# Altium PCB RTM_SFP_no-teardrops.PcbDoc (part 6 of 7) (continued)
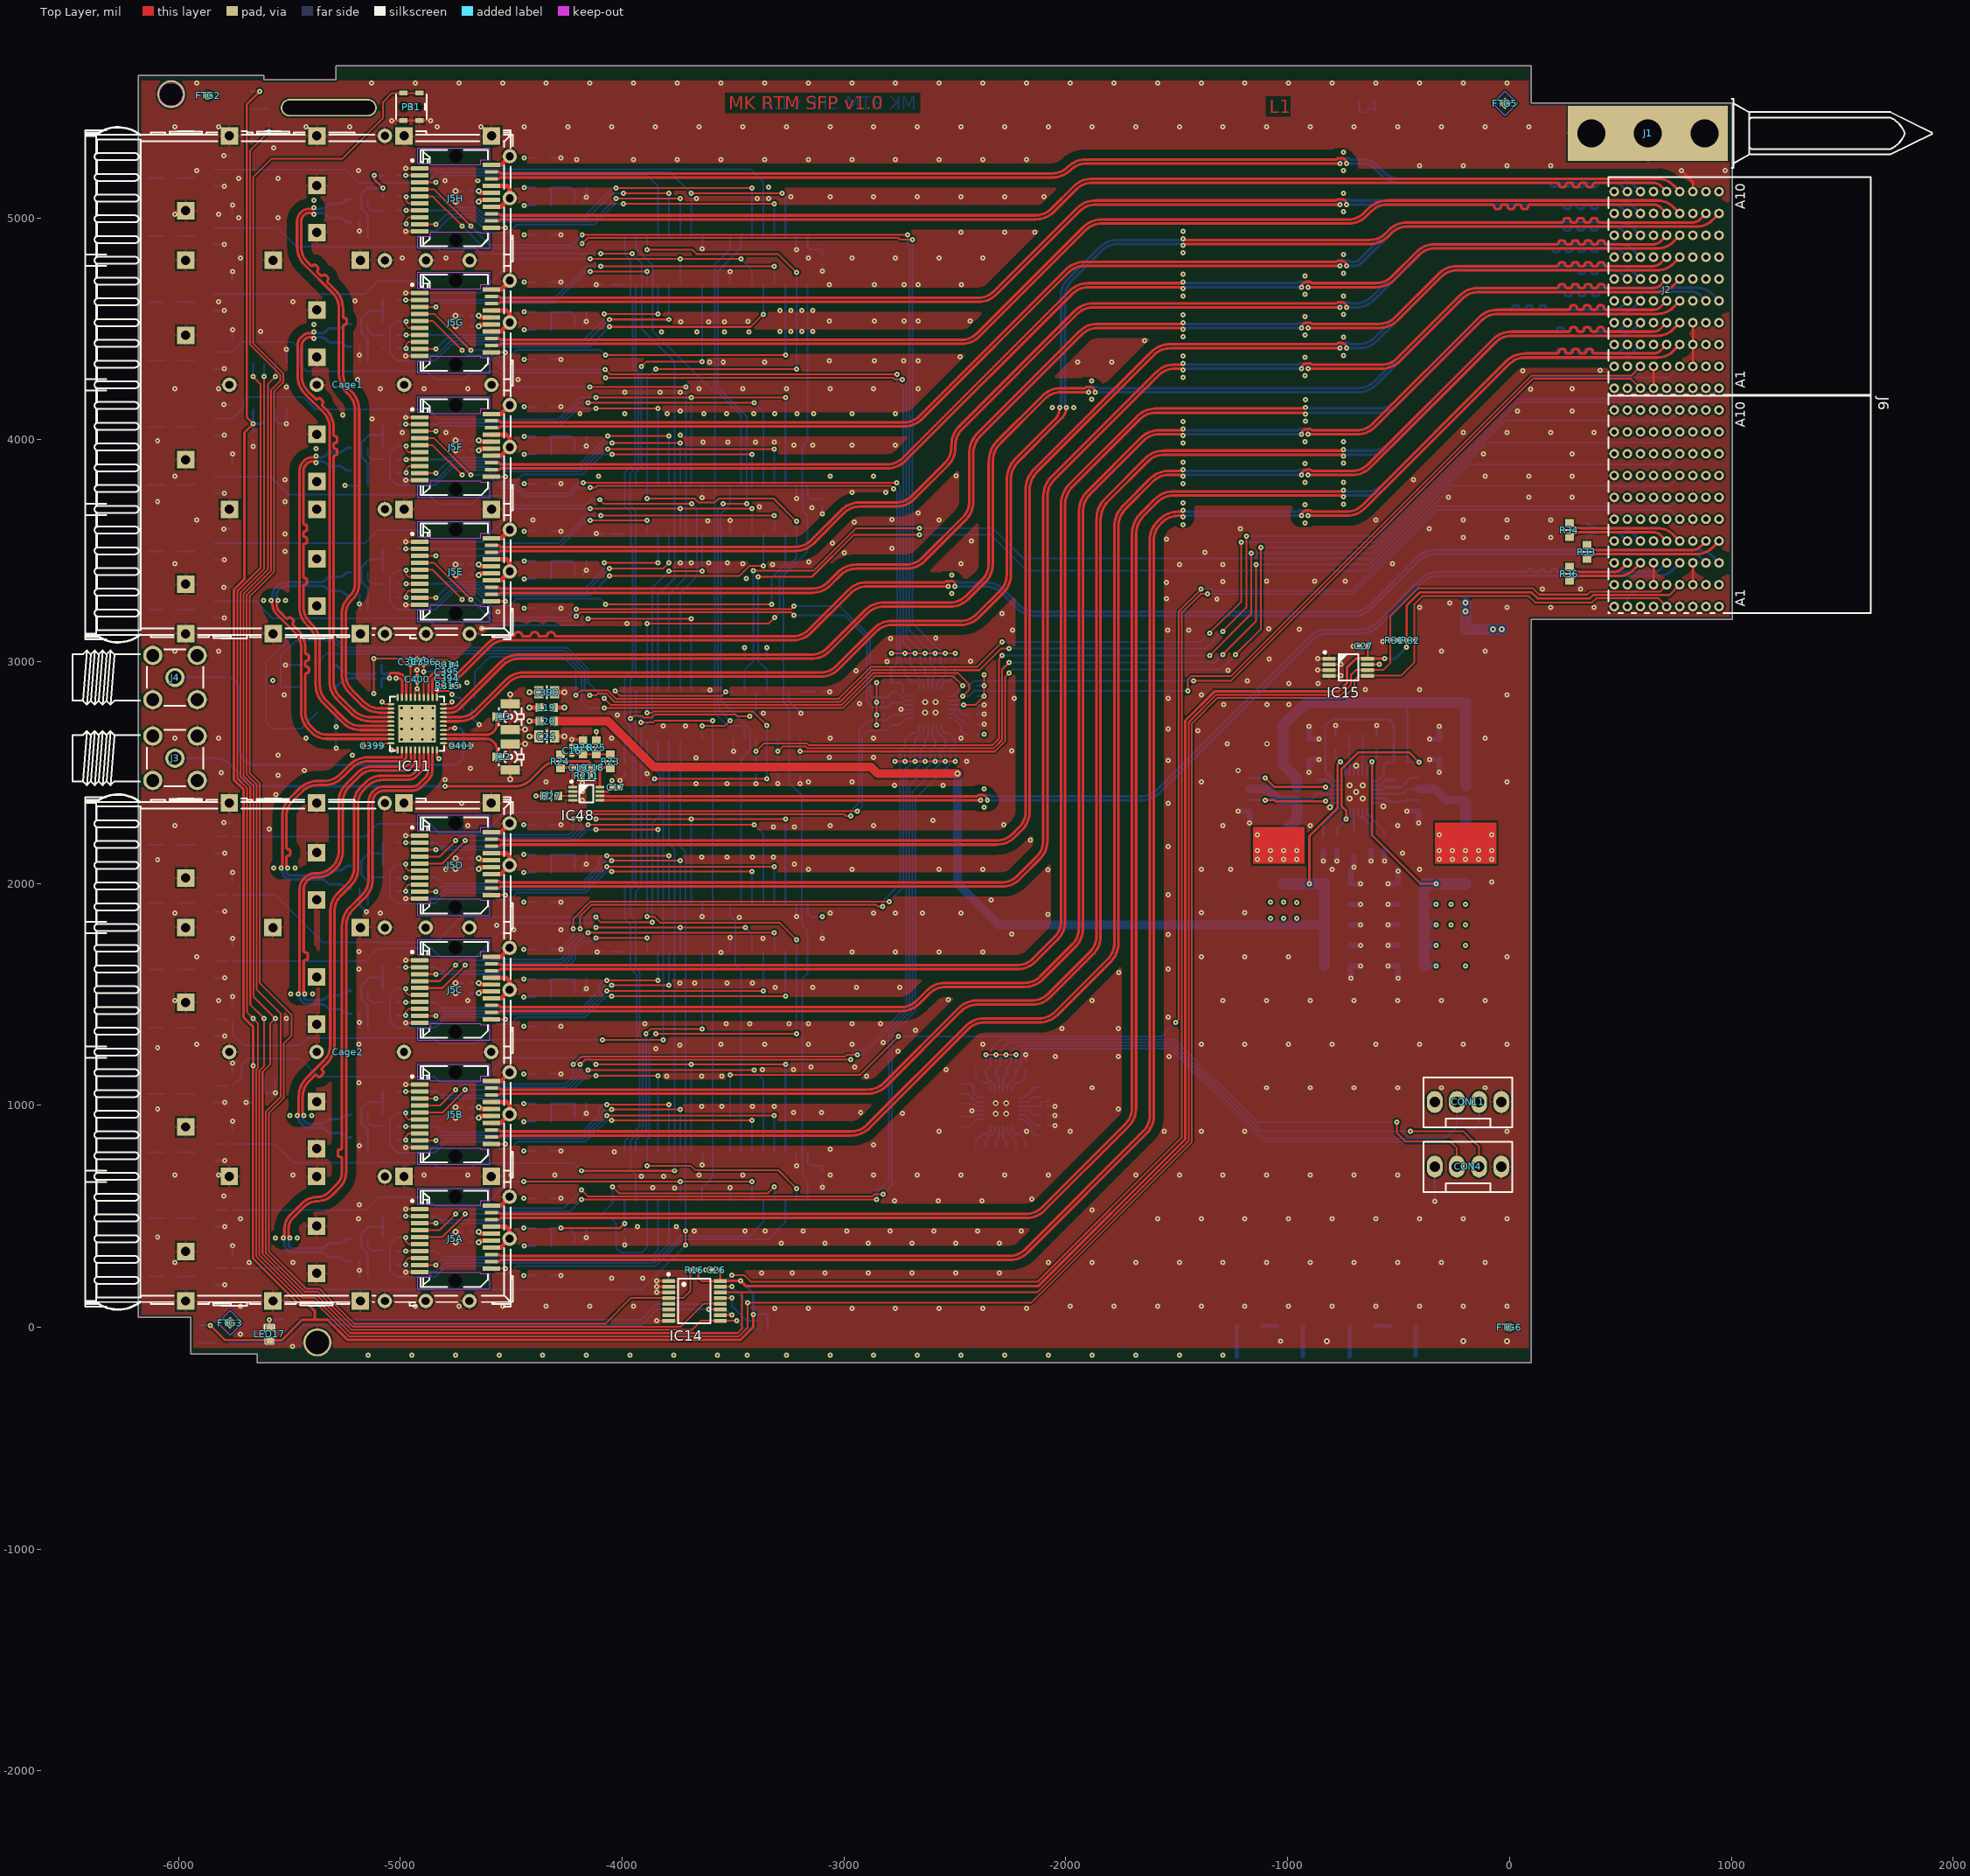
[diagram p0: Top Layer view]
## Nets (pads, with @x,y where several pads share a name; then routed paths per layer and width w, separated by ;. In a path a pad name is that pad's centre, name@x,y a point inside that pad or via, vN(x,y) a via of type N, cw(c..) or ccw(c..) an arc to the next point about the centre after c; other vN are vias at no path point) (continued)
SFP_LED2_1: IC10.4 R12H.2 T1H.1 | length 4025.7
  Top Layer w7.99: v1(-4097.64,4838.98) v1@-3954.72,4838.98
  Bottom Layer w7.99: T1H.1@-5836.61,4955.71 -5554.53,4955.71 -5469.68,4870.87 -4838.98,4870.87 -4816.93,4848.82 -4722.05,4848.82 -4705.91,4864.96 -4663.39,4864.96 -4637.4,4838.98 v1(-4097.64,4838.98) ; v1(-3954.53,4839.17) -3911.98,4796.62 -3911.98,4499.77 -3763.78,4351.57 -3763.78,3374.8 -3838.78,3299.8 IC10.4@-3838.78,2867.13
SFP_LED2_2: IC10.5 R12G.2 T1G.1 | length 3698.9
  Top Layer w7.99: v1(-4146.06,4238.19) v1(-3713.39,4238.19)
  Bottom Layer w7.99: T1G.1@-5836.61,4394.69 R12G.2@-5756.69,4394.69 -5710.43,4440.94 -5488.19,4440.94 -5453.94,4406.69 -5453.94,4337.01 -5424.8,4307.87 -4879.92,4307.87 -4844.09,4272.05 -4711.42,4272.05 -4675.59,4307.87 -4560.63,4307.87 -4490.94,4238.19 v1(-4146.06,4238.19) ; IC10.5@-3788.78,2867.13 -3788.78,3302.95 -3712.99,3378.74 v1@-3712.99,4237.8
SFP_LED2_3: IC10.6 R12F.2 T1F.1 | length 3137.5
  Top Layer w7.99: v1(-4101.79,3730.1) -4083.89,3712.2 v1(-3686.22,3712.2)
  Bottom Layer w7.99: T1F.1@-5836.61,3833.66 -5586.02,3833.66 -5504.33,3751.97 -4870.47,3751.97 -4828.15,3709.65 -4677.17,3709.65 -4640.75,3746.06 -4541.34,3746.06 -4500.98,3705.71 -4164.37,3705.71 -4139.98,3730.1 v1(-4101.79,3730.1) ; IC10.6@-3738.78,2867.13 -3738.78,3308.86 -3662.6,3385.04 -3662.6,3688.58 v1(-3686.22,3712.2)
SFP_LED2_4: IC10.7 R12E.2 T1E.1 | length 2544.9
  Top Layer w7.99: v1(-4153.74,3193.5) v1(-3688.78,3193.5)
  Bottom Layer w7.99: T1E.1@-5836.61,3272.64 R12E.2@-5756.69,3272.64 -5653.35,3272.64 -5575.59,3194.88 -4876.77,3194.88 -4844.88,3162.99 -4729.13,3162.99 -4712.74,3179.39 -4601.14,3179.39 -4585.93,3164.17 -4183.07,3164.17 v1(-4153.74,3193.5) ; IC10.7@-3688.78,2867.13 v1(-3688.78,3193.5)
SFP_LED2_5: IC10.14 R12D.2 T1D.1 | length 2956.8
  Top Layer w7.99: v1(-4118.9,1848.43) -4095.28,1824.8 v1(-3863.78,1824.8)
  Bottom Layer w7.99: T1D.1@-5835.63,1948.82 -5778.54,1948.82 ; R12D.2@-5756.69,1948.82 -5564.96,1948.82 -5351.57,1735.43 -4839.37,1735.43 -4726.38,1848.43 v1(-4118.9,1848.43) ; IC10.14@-3888.78,2647.13 -3888.78,2549.02 -3828.56,2488.8 -3828.56,2306.09 -3863.78,2270.87 v1(-3863.78,1824.8)
SFP_LED2_6: IC10.13 R12C.2 T1C.1 | length 3481.8
  Top Layer w7.99: v1(-4088.58,1294.09) v1(-3814.57,1294.09)
  Bottom Layer w7.99: T1C.1@-5835.63,1387.8 -5778.54,1387.8 ; R12C.2@-5756.69,1387.8 -5756.69,1321.26 -5704.72,1269.29 -5452.36,1269.29 -5418.11,1303.54 -4850.39,1303.54 -4824.8,1277.95 -4659.84,1277.95 -4643.7,1294.09 v1(-4088.58,1294.09) ; IC10.13@-3838.78,2647.13 -3838.78,2532.48 -3814.57,2508.27 v1(-3814.57,1294.09)
SFP_LED2_7: IC10.12 R12B.2 T1B.1 | length 4070
  Top Layer w7.99: v1(-4183.07,704.72) v1(-3764.17,704.72)
  Bottom Layer w7.99: T1B.1@-5835.63,826.77 -5778.54,826.77 ; R12B.2@-5756.69,826.77 -5566.54,826.77 -5481.5,741.73 -4853.94,741.73 -4830.31,718.11 -4681.5,718.11 -4660.63,738.98 -4217.32,738.98 v1(-4183.07,704.72) ; IC10.12@-3788.78,2647.13 -3788.78,2177.36 -3764.17,2152.76 v1(-3764.17,704.72)
SFP_LED2_8: IC10.11 R12A.2 T1A.1 | length 4510
  Top Layer w7.99: v1(-3714.17,370.08) v1(-3714.17,434.65)
  Bottom Layer w7.99: T1A.1@-5835.06,265.7 -5777.97,265.7 ; R12A.2@-5756.69,265.7 -5536.17,265.7 -5439.66,169.18 -3915.07,169.18 v1(-3714.17,370.08) ; IC10.11@-3738.78,2647.13 -3738.78,2167.13 -3714.17,2142.52 v1(-3714.17,434.65)
SFP_LOS1: IC2.13 J5H.8 R404H.1 | length 2055
  Top Layer w7.99: v1(-4974.92,4972.64) -4974.92,4990.22 -4962.92,5002.22 J5H.8@-4912.42,5002.22 ; v1(-3995.28,5062.99) v1(-3314.17,5062.99)
  Bottom Layer w7.99: R404H.1@-5015.75,4972.64 v1(-4974.92,4972.64) -4944.01,4941.73 -4837.66,4941.73 -4777.27,5002.12 -4674.47,5002.12 -4605.53,4933.17 -4511.71,4933.17 -4475.44,4969.44 -4126.42,4969.44 -4032.87,5062.99 v1(-3995.28,5062.99) ; IC2.13@-3314.17,4914.82 v1(-3314.17,5062.99)
SFP_LOS2: IC2.5 J5G.8 R404G.1 | length 1983.7
  Top Layer w7.99: v1(-4974.92,4411.62) -4974.92,4429.2 -4962.92,4441.2 J5G.8@-4912.42,4441.2 ; v1(-4057.48,4508.66) -3421.26,4508.66 v1(-3364.17,4565.75)
  Bottom Layer w7.99: R404G.1@-5015.75,4411.62 v1(-4974.92,4411.62) -4944.01,4380.71 -4837.66,4380.71 -4773.93,4444.44 -4573.87,4444.44 -4548.31,4418.88 -4147.26,4418.88 v1(-4057.48,4508.66) ; v1(-3364.17,4565.75) IC2.5@-3364.17,4702.22
SFP_LOS3: IC5.13 J5F.8 R404F.1 | length 2050
  Top Layer w7.99: v1(-4974.92,3850.59) -4974.92,3868.17 -4962.92,3880.17 J5F.8@-4912.42,3880.17 ; v1(-4065.75,3958.56) v1(-3314.18,3958.56)
  Bottom Layer w7.99: R404F.1@-5015.75,3850.59 v1(-4974.92,3850.59) -4944.01,3819.69 -4837.66,3819.69 -4765.79,3891.55 -4561.3,3891.55 -4527.6,3857.86 -4184.85,3857.86 -4084.15,3958.56 v1@-4066.43,3958.56 ; IC5.13@-3314.17,3792.77 v1(-3314.18,3958.56)
SFP_LOS4: IC5.5 J5E.8 R404E.1 | length 1997.7
  Top Layer w7.99: v1(-4974.92,3289.57) -4974.92,3307.15 -4962.92,3319.15 J5E.8@-4912.42,3319.15 ; v1(-4057.48,3386.61) -3471.26,3386.61 -3425.98,3431.89 v1(-3364.17,3431.89)
  Bottom Layer w7.99: R404E.1@-5015.75,3289.57 v1(-4974.92,3289.57) -4944.01,3258.66 -4837.66,3258.66 -4773.93,3322.39 -4765.39,3330.92 -4650.83,3330.92 -4616.75,3296.83 -4147.26,3296.83 v1(-4057.48,3386.61) ; v1(-3364.17,3431.89) IC5.5@-3364.17,3580.17
SFP_LOS5: IC7.13 J5D.8 R404D.1 | length 2026.7
  Top Layer w7.99: v1(-4975.48,1965.54) -4975.48,1983.13 -4963.48,1995.13 J5D.8@-4912.98,1995.13 ; v1(-4068.91,2075.88) v1(-3314.17,2075.88)
  Bottom Layer w7.99: R404D.1@-5016.31,1965.54 v1(-4975.48,1965.54) -4944.57,1934.64 -4838.22,1934.64 -4800.04,1972.81 -4171.87,1972.81 -4068.91,2075.77 v1(-4068.91,2075.88) ; IC7.13@-3314.17,1907.72 v1(-3314.17,2075.88)
SFP_LOS6: IC7.5 J5C.8 R404C.1 | length 1988.8
  Top Layer w7.99: v1(-4975.48,1404.52) -4975.48,1422.1 -4963.48,1434.1 J5C.8@-4912.98,1434.1 ; v1(-4068.91,1514.86) v1(-3364.17,1514.86)
  Bottom Layer w7.99: R404C.1@-5016.31,1404.52 v1(-4975.48,1404.52) -4944.57,1373.61 -4838.22,1373.61 -4800.04,1411.79 -4171.86,1411.79 -4068.91,1514.75 v1(-4068.91,1514.86) ; v1(-3364.17,1514.86) IC7.5@-3364.17,1695.13
SFP_LOS7: IC9.13 J5B.8 R404B.1 | length 2026.7
  Top Layer w7.99: v1(-4975.48,843.5) -4975.48,861.08 -4963.48,873.08 J5B.8@-4912.98,873.08 ; v1(-4068.91,953.84) v1(-3314.17,953.84)
  Bottom Layer w7.99: R404B.1@-5016.31,843.5 v1(-4975.48,843.5) -4944.57,812.59 -4838.22,812.59 -4800.04,850.76 -4215.76,850.76 -4171.87,850.76 -4068.91,953.72 v1(-4068.91,953.84) ; IC9.13@-3314.17,785.68 v1(-3314.17,953.84)
SFP_LOS8: IC9.5 J5A.8 R404A.1 | length 1941.2
  Top Layer w7.99: v1(-4975.48,282.47) -4975.48,300.06 -4963.48,312.05 J5A.8@-4912.98,312.05
  Bottom Layer w7.99: R404A.1@-5016.31,282.47 v1(-4975.48,282.47) -4944.57,251.57 -4838.22,251.57 -4800.04,289.74 -3856.12,289.74 -3736.2,409.66 -3428.53,409.66 -3364.17,474.02 IC9.5@-3364.17,573.08
SFP_RS0_1: IC3.5 R107H.2 | length 1326.8
  Top Layer w7.99: v1(-3995.28,5109.84) v1(-3788.78,5109.84)
  Bottom Layer w7.99: R107H.2@-4870.65,5033.46 -4666.24,5033.46 -4630.2,4997.43 -4157.1,4997.43 -4044.68,5109.84 v1(-3995.28,5109.84) ; IC3.5@-3788.78,4918.52 v1@-3788.78,5101.97
SFP_RS0_2: IC3.13 R107G.2 | length 1241.2
  Top Layer w7.99: v1(-4081.1,4566.93) v1(-3838.78,4566.93)
  Bottom Layer w7.99: R107G.2@-4870.65,4472.44 -4562.29,4472.44 -4536.73,4446.88 -4176.45,4446.88 -4081.1,4542.23 v1(-4081.1,4566.93) v1@-4083.22,4564.81 ; v1(-3838.78,4566.93) IC3.13@-3838.78,4698.52
SFP_RS0_3: IC4.5 R107F.2 | length 1373.4
  Top Layer w7.99: v1(-4065.75,4016.54) v1(-3788.78,4016.54)
  Bottom Layer w7.99: R107F.2@-4870.65,3911.42 -4800.39,3911.42 -4792.28,3919.54 -4549.71,3919.54 -4516.03,3885.86 -4196.42,3885.86 v1(-4065.75,4016.54) ; IC4.5@-3788.78,3796.47 v1(-3788.78,4016.54)
SFP_RS0_4: IC4.13 R107E.2 | length 1247.4
  Top Layer w7.99: v1(-4081.1,3444.88) v1(-3838.78,3444.88)
  Bottom Layer w7.99: R107E.2@-4870.65,3350.39 -4796.56,3350.39 -4788.05,3358.91 -4639.22,3358.91 -4605.15,3324.83 -4172.8,3324.83 -4081.1,3416.54 v1(-4081.1,3444.88) ; v1(-3838.78,3444.88) IC4.13@-3838.78,3576.47
SFP_RS0_5: IC6.5 R107D.2 | length 1373.9
  Top Layer w7.99: v1(-4068.91,2124.81) v1(-3788.78,2124.81)
  Bottom Layer w7.99: R107D.2@-4871.21,2026.37 -4835.03,2026.37 -4809.47,2000.81 -4183.44,2000.81 -4104.71,2079.55 -4104.71,2107.1 -4087.01,2124.81 v1(-4068.91,2124.81) ; IC6.5@-3788.78,1911.43 v1(-3788.78,2124.81)
SFP_RS0_6: IC6.13 R107C.2 | length 1238.2
  Top Layer w7.99: v1(-4068.91,1563.78) v1(-3838.78,1563.78)
  Bottom Layer w7.99: R107C.2@-4871.21,1465.35 -4839.76,1465.35 -4814.2,1439.79 -4183.44,1439.79 -4104.71,1518.52 -4104.71,1546.08 -4087.01,1563.78 v1(-4068.91,1563.78) ; v1(-3838.78,1563.78) IC6.13@-3838.78,1691.43
SFP_RS0_7: IC8.5 R107B.2 | length 1373.9
  Top Layer w7.99: v1(-4068.91,1002.76) v1(-3788.78,1002.76)
  Bottom Layer w7.99: R107B.2@-4871.21,904.32 -4837,904.32 -4811.44,878.76 -4183.44,878.76 -4104.71,957.5 -4104.71,985.06 -4087.01,1002.76 v1(-4068.91,1002.76) ; IC8.5@-3788.78,789.38 v1(-3788.78,1002.76)
SFP_RS0_8: IC8.13 R107A.2 | length 1277.7
  Bottom Layer w7.99: R107A.2@-4871.21,343.3 -4838.97,343.3 -4813.41,317.74 -3867.69,317.74 -3838.78,346.65 IC8.13@-3838.78,569.38
SFP_RS1_1: IC3.6 J5H.9 | length 1418.3
  Top Layer w7.99: J5H.9@-4912.42,4970.73 v1(-4839.51,4970.73) ; v1(-4027.95,5087.69) v1(-3738.78,5087.69)
  Bottom Layer w7.99: v1(-4839.51,4970.73) -4794.13,5016.11 -4668.68,5016.11 -4636,4983.43 -4132.21,4983.43 v1(-4027.95,5087.69) ; IC3.6@-3738.78,4918.52 v1(-3738.78,5087.69)
SFP_RS1_2: IC3.12 J5G.9 | length 1356.1
  Top Layer w7.99: J5G.9@-4912.42,4409.7 v1(-4839.51,4409.7) ; v1(-4057.48,4542.13) v1(-3788.78,4542.13)
  Bottom Layer w7.99: v1(-4839.51,4409.7) -4790.77,4458.44 -4568.08,4458.44 -4542.52,4432.88 -4166.72,4432.88 v1(-4057.48,4542.13) ; v1(-3788.78,4542.13) IC3.12@-3788.78,4698.52
SFP_RS1_3: IC4.6 J5F.9 | length 1447.1
  Top Layer w7.99: J5F.9@-4912.42,3848.68 v1(-4839.51,3848.68) ; v1(-4045.27,3985.43) v1(-3738.78,3985.43)
  Bottom Layer w7.99: v1(-4839.51,3848.68) -4782.65,3905.54 -4555.5,3905.54 -4521.82,3871.86 -4190.64,3871.86 -4077.06,3985.43 v1@-4045.28,3985.43 ; IC4.6@-3738.78,3796.47 v1(-3738.78,3985.43)
SFP_RS1_4: IC4.12 J5E.9 | length 1348.6
  Top Layer w7.99: J5E.9@-4912.42,3287.65 v1(-4839.51,3287.65) ; v1(-4057.48,3420.08) -3813.58,3420.08 v1(-3788.78,3444.88)
  Bottom Layer w7.99: v1(-4839.51,3287.65) -4782.25,3344.91 -4645.03,3344.91 -4610.95,3310.83 -4166.72,3310.83 v1(-4057.48,3420.08) ; v1(-3788.78,3444.88) IC4.12@-3788.78,3576.47
SFP_RS1_5: IC6.6 J5D.9 | length 1431.3
  Top Layer w7.99: J5D.9@-4912.98,1963.63 v1(-4840.07,1963.63) ; v1(-4048.43,2102.76) v1(-3738.78,2102.76)
  Bottom Layer w7.99: v1(-4840.07,1963.63) -4816.89,1986.81 -4177.65,1986.81 -4090.71,2073.75 -4090.71,2087.63 -4080.66,2097.69 -4053.49,2097.69 v1(-4048.43,2102.76) ; IC6.6@-3738.78,1911.43 v1(-3738.78,2102.76)
SFP_RS1_6: IC6.12 J5C.9 | length 1339.7
  Top Layer w7.99: J5C.9@-4912.98,1402.61 v1(-4840.07,1402.61) ; v1(-4048.43,1541.73) v1(-3788.78,1541.73)
  Bottom Layer w7.99: v1(-4840.07,1402.61) -4816.89,1425.79 -4200.8,1425.79 -4177.65,1425.79 -4090.71,1512.73 -4090.71,1526.61 -4080.66,1536.67 -4053.49,1536.67 v1(-4048.43,1541.73) ; v1(-3788.78,1541.73) IC6.12@-3788.78,1691.43
SFP_RS1_7: IC8.6 J5B.9 | length 1431.3
  Top Layer w7.99: J5B.9@-4912.98,841.58 v1(-4840.07,841.58) ; v1(-4048.43,980.71) v1(-3738.78,980.71)
  Bottom Layer w7.99: v1(-4840.07,841.58) -4816.89,864.76 -4200.8,864.76 -4177.65,864.76 -4090.71,951.7 -4090.71,965.58 -4080.66,975.64 -4053.49,975.64 v1(-4048.43,980.71) ; IC8.6@-3738.78,789.38 v1(-3738.78,980.71)
SFP_RS1_8: IC8.12 J5A.9 | length 1356.6
  Top Layer w7.99: J5A.9@-4912.98,280.56 v1(-4840.07,280.56)
  Bottom Layer w7.99: v1(-4840.07,280.56) -4816.89,303.74 -3861.91,303.74 -3788.78,376.87 IC8.12@-3788.78,569.38
SFP_SYNCE_REFCLKA: J5A.7 R107A.1 R109A.2 | length 144.4
  Top Layer w7.99: v1(-4975.48,343.3) J5A.7@-4913.23,343.3
  Bottom Layer w7.99: R109A.2@-5016.31,343.3 v1(-4975.48,343.3) R107A.1@-4934.2,343.3
SFP_SYNCE_REFCLKB: J5B.7 R107B.1 R109B.2 | length 144.4
  Top Layer w7.99: v1(-4975.48,904.32) J5B.7@-4913.23,904.32
  Bottom Layer w7.99: R109B.2@-5016.31,904.32 v1(-4975.48,904.32) R107B.1@-4934.2,904.32
SFP_SYNCE_REFCLKC: J5C.7 R107C.1 R109C.2 | length 144.4
  Top Layer w7.99: v1(-4975.48,1465.35) J5C.7@-4913.23,1465.35
  Bottom Layer w7.99: R109C.2@-5016.31,1465.35 v1(-4975.48,1465.35) R107C.1@-4934.2,1465.35
SFP_SYNCE_REFCLKD: J5D.7 R107D.1 R109D.2 | length 144.4
  Top Layer w7.99: v1(-4975.48,2026.37) J5D.7@-4913.23,2026.37
  Bottom Layer w7.99: R109D.2@-5016.31,2026.37 v1(-4975.48,2026.37) R107D.1@-4934.2,2026.37
SFP_SYNCE_REFCLKE: J5E.7 R107E.1 R109E.2 | length 144.4
  Top Layer w7.99: v1(-4974.92,3350.39) J5E.7@-4912.67,3350.39
  Bottom Layer w7.99: R109E.2@-5015.75,3350.39 v1(-4974.92,3350.39) R107E.1@-4933.65,3350.39
SFP_SYNCE_REFCLKF: J5F.7 R107F.1 R109F.2 | length 144.4
  Top Layer w7.99: v1(-4974.92,3911.42) J5F.7@-4912.67,3911.42
  Bottom Layer w7.99: R109F.2@-5015.75,3911.42 v1(-4974.92,3911.42) R107F.1@-4933.65,3911.42
SFP_SYNCE_REFCLKG: J5G.7 R107G.1 R109G.2 | length 144.4
  Top Layer w7.99: v1(-4974.92,4472.44) J5G.7@-4912.67,4472.44
  Bottom Layer w7.99: R109G.2@-5015.75,4472.44 v1(-4974.92,4472.44) R107G.1@-4933.65,4472.44
SFP_SYNCE_REFCLKH: J5H.7 R107H.1 R109H.2 | length 144.4
  Top Layer w7.99: v1(-4974.92,5033.47) J5H.7@-4912.67,5033.47
  Bottom Layer w7.99: R109H.2@-5015.75,5033.47 v1(-4974.92,5033.47) R107H.1@-4933.65,5033.46
SFP_TXDISABLE1: IC3.4 J5H.3 | length 1331.5
  Top Layer w7.99: J5H.3@-4912.42,5159.7 v1(-4839.51,5159.7)
  Bottom Layer w7.99: v1(-4839.51,5159.7) -4807.87,5191.34 -3886.61,5191.34 -3838.78,5143.5 IC3.4@-3838.78,4918.52
SFP_TXDISABLE2: IC3.14 J5G.3 | length 1149.2
  Top Layer w7.99: J5G.3@-4912.42,4598.68 v1(-4839.51,4598.68) ; v1(-4143.31,4758.07) v1(-3888.78,4758.07)
  Bottom Layer w7.99: v1(-4839.51,4598.68) -4822.02,4616.17 -4306.55,4616.17 -4164.65,4758.07 v1(-4143.31,4758.07) ; IC3.14@-3888.78,4698.52 v1(-3888.78,4758.07)
SFP_TXDISABLE3: IC4.4 J5F.3 | length 1460.3
  Top Layer w7.99: J5F.3@-4912.42,4037.65 v1(-4839.51,4037.65) ; v1(-4118.9,4140.55) v1(-3838.78,4140.55)
  Bottom Layer w7.99: v1(-4839.51,4037.65) -4814.2,4062.96 -4278.57,4062.96 -4200.98,4140.55 v1(-4118.9,4140.55) ; IC4.4@-3838.78,3796.47 v1(-3838.78,4140.55)
SFP_TXDISABLE4: IC4.14 J5E.3 | length 1149.2
  Top Layer w7.99: J5E.3@-4912.42,3476.63 v1(-4839.51,3476.63) ; v1(-4143.31,3636.02) v1(-3888.78,3636.02)
  Bottom Layer w7.99: v1(-4839.51,3476.63) -4551.72,3476.63 -4514.17,3514.17 -4283.86,3514.17 -4162.01,3636.02 v1(-4143.31,3636.02) ; IC4.14@-3888.78,3576.47 v1(-3888.78,3636.02)
SFP_TXDISABLE5: IC6.4 J5D.3 | length 1443.1
  Top Layer w7.99: J5D.3@-4912.98,2152.61 v1(-4840.07,2152.61) ; v1(-4118.9,2242.91) v1(-3838.78,2242.91)
  Bottom Layer w7.99: v1(-4840.07,2152.61) -4552.28,2152.61 -4528.11,2176.77 -4222.72,2176.77 -4156.59,2242.91 v1(-4118.9,2242.91) ; IC6.4@-3838.78,1911.43 v1(-3838.78,2242.91)
SFP_TXDISABLE6: IC6.14 J5C.3 | length 1177.3
  Top Layer w7.99: J5C.3@-4912.98,1591.58 v1(-4840.07,1591.58) ; v1(-4118.9,1753.54) v1(-3888.78,1753.54)
  Bottom Layer w7.99: v1(-4840.07,1591.58) -4552.28,1591.58 -4528.11,1615.75 -4256.68,1615.75 -4212.96,1659.48 -4212.96,1700.32 -4175.09,1738.19 -4134.24,1738.19 v1(-4118.9,1753.54) ; IC6.14@-3888.78,1691.43 v1(-3888.78,1753.54)
SFP_TXDISABLE7: IC8.4 J5B.3 | length 1460.9
  Top Layer w7.99: J5B.3@-4912.98,1030.56 v1(-4840.07,1030.56) ; v1(-4118.9,1133.46) v1(-3838.78,1133.46)
  Bottom Layer w7.99: v1(-4840.07,1030.56) -4552.28,1030.56 -4528.11,1054.72 -4238.19,1054.72 -4159.46,1133.46 v1(-4118.9,1133.46) ; IC8.4@-3838.78,789.38 v1(-3838.78,1133.46)
SFP_TXDISABLE8: IC8.14 J5A.3 | length 1382.1
  Top Layer w7.99: J5A.3@-4912.98,469.54 v1(-4840.07,469.54)
  Bottom Layer w7.99: v1(-4840.07,469.54) -4550.31,469.54 -4526,493.85 -4055.12,493.85 -4028.74,467.47 -4028.74,358.66 -4007.87,337.8 -3909.45,337.8 -3888.78,358.46 IC8.14@-3888.78,569.38
SFP_TXFAULT1: IC2.12 J5H.2 R400H.1 | length 1996.6
  Top Layer w7.99: v1(-4975.73,5191.2) J5H.2@-4912.42,5191.2
  Bottom Layer w7.99: R400H.1@-5015.75,5190.94 v1@-4975.98,5190.95 ; v1(-4975.73,5191.2) -4885.97,5191.2 -4857.84,5219.32 -3422.47,5219.32 -3364.17,5161.02 IC2.12@-3364.17,4914.82
SFP_TXFAULT2: IC2.4 J5G.2 R400G.1 | length 1902.1
  Top Layer w7.99: v1(-4975.73,4630.17) J5G.2@-4912.42,4630.17 ; v1(-4097.64,4781.1) v1(-3314.17,4781.1)
  Bottom Layer w7.99: R400G.1@-5015.75,4629.92 v1@-4975.98,4629.92 ; v1(-4975.73,4630.17) -4312.35,4630.17 -4161.42,4781.1 v1(-4097.64,4781.1) ; IC2.4@-3314.17,4702.22 v1@-3314.17,4777.17
SFP_TXFAULT3: IC5.12 J5F.2 R400F.1 | length 2103.9
  Top Layer w7.99: v1(-4975.73,4069.15) J5F.2@-4912.42,4069.15 ; v1(-4154.33,4165.75) v1(-3404.72,4165.75)
  Bottom Layer w7.99: R400F.1@-5015.75,4068.9 v1@-4975.98,4068.9 ; v1(-4975.73,4069.15) -4833.21,4069.15 -4825.41,4076.95 -4284.36,4076.95 -4195.57,4165.75 v1(-4154.33,4165.75) ; v1(-3404.72,4165.75) -3364.17,4125.2 IC5.12@-3364.17,3792.77
SFP_TXFAULT4: IC5.4 J5E.2 R400E.1 | length 1902.1
  Top Layer w7.99: v1(-4975.73,3508.13) J5E.2@-4912.42,3508.13 ; v1(-4097.64,3659.06) v1(-3314.17,3659.06)
  Bottom Layer w7.99: R400E.1@-5015.75,3507.87 v1@-4975.98,3507.87 ; v1(-4975.73,3508.13) -4550.14,3508.13 -4525.2,3533.07 -4285.43,3533.07 -4159.45,3659.06 v1(-4097.64,3659.06) ; IC5.4@-3314.17,3580.17 v1@-3314.17,3655.12
SFP_TXFAULT5: IC7.12 J5D.2 R400D.1 | length 2096.7
  Top Layer w7.99: v1(-4976.29,2184.1) J5D.2@-4912.98,2184.1 ; v1(-4154.33,2264.95) v1(-3404.72,2264.95)
  Bottom Layer w7.99: R400D.1@-5016.31,2183.85 v1@-4976.54,2183.85 ; v1(-4976.29,2184.1) -4838.76,2184.1 -4821.26,2166.6 -4558.07,2166.6 -4533.91,2190.76 -4228.52,2190.76 v1(-4154.33,2264.95) ; v1(-3404.72,2264.95) -3364.17,2224.4 IC7.12@-3364.17,1907.72
SFP_TXFAULT6: IC7.4 J5C.2 R400C.1 | length 1951.7
  Top Layer w7.99: v1(-4976.29,1623.08) J5C.2@-4912.98,1623.08 ; v1(-4154.33,1778.73) v1(-3314.17,1778.73)
  Bottom Layer w7.99: R400C.1@-5016.31,1622.83 v1@-4976.54,1622.83 ; v1(-4976.29,1623.08) -4838.76,1623.08 -4821.26,1605.58 -4558.07,1605.58 -4533.91,1629.74 -4262.48,1629.74 -4226.95,1665.27 -4226.95,1706.11 v1(-4154.33,1778.73) ; IC7.4@-3314.17,1695.13 v1(-3314.17,1778.73)
SFP_TXFAULT7: IC9.12 J5B.2 R400B.1 | length 2118.9
  Top Layer w7.99: v1(-4976.29,1062.06) J5B.2@-4912.98,1062.06 ; v1(-4154.33,1158.65) v1(-3404.72,1158.65)
  Bottom Layer w7.99: R400B.1@-5016.31,1061.8 R400B.1@-5015.75,1061.8 v1@-4976.54,1061.8 ; v1(-4976.29,1062.06) -4838.76,1062.06 -4821.26,1044.55 -4558.07,1044.55 -4533.91,1068.72 -4244.27,1068.72 v1(-4154.33,1158.65) ; v1(-3404.72,1158.65) -3364.17,1118.1 IC9.12@-3364.17,785.68
SFP_TXFAULT8: IC9.4 J5A.2 R400A.1 | length 1964.8
  Top Layer w7.99: v1(-4976.29,501.03) J5A.2@-4912.98,501.03 ; v1(-4044.09,633.46) -4013.81,603.18 -3344.46,603.18 v1(-3314.17,633.46)
  Bottom Layer w7.99: R400A.1@-5016.31,500.78 R400A.1@-5015.75,500.78 v1@-4976.54,500.78 ; v1(-4976.29,501.03) -4840.73,501.03 -4823.22,483.53 -4556.11,483.53 -4531.79,507.84 -4093.34,507.84 -4044.09,557.09 v1(-4044.09,633.46) ; IC9.4@-3314.17,573.08 v1(-3314.17,633.46)
SI_CLK_N: C393.2 OSC1.5 | length 192.3
  Bottom Layer w12: OSC1.5@-5289.76,2884.65 -5278.11,2896.3 cw(c-5207.4,2825.59) -5247.97,2916.99 cw(c-5207.4,2825.59) -5207.4,2925.59 -5118.5,2925.59 C393.2@-5112.6,2919.68
SI_CLK_P: C392.2 OSC1.4 | length 192.4
  Bottom Layer w12: OSC1.4@-5289.76,2984.65 -5278,2972.88 ccw(c-5207.29,3043.59) -5248.57,2952.51 ccw(c-5207.29,3043.59) -5207.29,2943.59 -5118.61,2943.59 C392.2@-5112.6,2949.61
SYNC_CLK_N: C395.2 J6.B3 | length 6070.4
  Top Layer w12: C395.2@-4776.38,2952.76 -4761.44,2952.76 -4755.68,2946.99 -4751.32,2946.99 ccw(c-4751.32,2968.9) -4735.84,2953.4 -4609.04,3080.2 cw(c-4526.06,2997.22) -4526.06,3114.57 -4487.36,3114.57 cw(c-4468.86,3114.57) -4450.36,3114.57 -4413.36,3114.57 cw(c-4394.86,3114.57) -4376.36,3114.57 -4339.36,3114.57 cw(c-4320.86,3114.57) -4302.36,3114.57 -3230.19,3114.57 ccw(c-3230.19,3214.57) -3159.48,3143.86 -2980.27,3323.07 cw(c-2898.59,3241.39) -2898.59,3356.9 -2545.97,3356.9 -2540.18,3362.69 -2508.36,3362.69 -2500.39,3354.72 v1(-2500.39,3338.88)
  Bottom Layer w12: v1(-2500.39,3338.88) -2361.27,3338.88 cw(c-2361.27,3238.88) -2290.56,3309.59 -2221.74,3240.77 ccw(c-2138.79,3323.72) -2138.79,3206.41 -704.02,3206.41 ccw(c-704.02,3323.78) -621.03,3240.79 -405.67,3456.14 cw(c-334.96,3385.43) -334.96,3485.43 824.37,3485.43 cw(c824.37,3434.96) 860.06,3470.65 J6.B3@885.83,3444.88
SYNC_CLK_P: C394.2 J6.A3 | length 6070.6
  Top Layer w12: C394.2@-4776.38,2923.23 -4761.44,2923.23 -4755.68,2928.99 -4750.24,2928.99 ccw(c-4750.24,2966.31) -4723.86,2939.92 -4596.5,3067.28 cw(c-4525.79,2996.57) -4525.79,3096.57 -3229.24,3096.57 ccw(c-3229.24,3212.28) -3147.42,3130.46 -2968.27,3309.61 cw(c-2897.56,3238.9) -2897.56,3338.9 v1(-2530.31,3338.88)
  Bottom Layer w12: v1(-2530.31,3338.88) -2530.31,3353.15 -2520.77,3362.69 -2490.53,3362.69 -2484.72,3356.88 -2361.09,3356.88 cw(c-2361.09,3239.31) -2277.96,3322.45 -2209.21,3253.7 ccw(c-2138.5,3324.41) -2138.5,3224.41 -704.28,3224.41 ccw(c-704.28,3324.41) -633.57,3253.7 -418.18,3469.09 cw(c-335.26,3386.17) -335.26,3503.43 844.91,3503.43 cw(c844.91,3403.43) 915.62,3474.14 J6.A3@944.88,3444.88
pads on no net: FTG1.1 FTG2.FTG2 FTG3.1 FTG4.FTG2 FTG5.1 FTG6.FTG2 FTG7.1 FTG8.FTG2 IC1.12 IC2.7 IC3.10 IC4.10 IC5.7 IC6.10 IC7.7 IC8.10 IC9.7 IC10.10 IC11.10 IC11.35 IC12.5 IC14.5 IC14.6 IC14.7 J2.A3 J2.A4 J2.A6 J2.A7 J2.A8 J2.A10 J2.B1 J2.B2 J2.B3 J2.B4 J2.B6 J2.B7 J2.B8 J2.B10 J2.D1 J2.D2 J2.F1 J2.F2 J5A.MTG1 J5A.MTG2 J5B.MTG1 J5B.MTG2 J5C.MTG1 J5C.MTG2 J5D.MTG1 J5D.MTG2 J5E.MTG1 J5E.MTG2 J5F.MTG1 J5F.MTG2 J5G.MTG1 J5G.MTG2 J5H.MTG1 J5H.MTG2 J6.A8 J6.A9 J6.A10 J6.B7 J6.B8 J6.B9 J6.B10 J6.D5 J6.D6 J6.D7 J6.D8 J6.D9 J6.D10 J6.E1 J6.F2 LD1A.3 LD1B.3 LD1C.3 LD1D.3 LD1E.3 LD1F.3 LD1G.3 LD1H.3 LD2A.3 LD2B.3 LD2C.3 LD2D.3 LD2E.3 LD2F.3 LD2G.3 LD2H.3 LDx.3 LDy.3 OSC1.1 PB1.5 PB1.10

## Polygon pours and split planes (outlines as drawn)
NetC11_1 on Bottom Layer "Bottom Layer-NetC11_1" (solid, remove dead copper, pour order 16): -335.83,2088.58 -335.83,2274.8 -59.45,2274.8 -59.45,2088.58
NetC280_1 on Bottom Layer "Bottom Layer-NetC280_1" (solid, remove dead copper, pour order 15): -1156.69,2088.58 -1156.69,2274.8 -924.02,2274.8 -924.02,2088.58
P2V5 on Bottom Layer "Bottom Layer-P2V5" (solid, remove dead copper, pour order 14): -1085.43,2046.06 -801.97,2046.06 -774.41,2018.5 -774.41,1609.06 -790.16,1593.31 -855.91,1593.31 -1050,1593.31 -1085.43,1628.74 -1085.43,2046.06
P3V3 on Bottom Layer "Bottom Layer-P3V3" (solid, remove dead copper, pour order 17): -130.71,2046.06 -414.17,2046.06 -441.73,2018.5 -441.73,1609.06 -425.98,1593.31 -360.24,1593.31 -166.14,1593.31 -130.71,1628.74 -130.71,2046.06
P3V3 on Bottom Layer "Bottom Layer-GND" (solid, remove dead copper, pour order 18): -6181.12,5618.9 98.38,5618.9 98.38,5518.13 1003.88,5518.13 1003.88,3189.43 98.38,3189.43 98.43,-94.49 -5944.92,-94.49 -5944.92,43.73 -6181.12,43.73
GND on Top Layer "Top Layer-GND" (solid, remove dead copper, pour order 19): -6181.12,5618.9 98.43,5618.9 98.38,5518.13 1003.88,5518.13 1003.88,3189.43 98.38,3189.43 98.38,-94.49 -5944.92,-94.49 -5944.92,43.73 -6181.12,43.73
NetF1_1 on MidPlane_1 (split plane): 983.79,3209.53 98.38,3209.53 94.46,3209.14 90.69,3208 87.22,3206.14 84.17,3203.64 81.67,3200.6 79.81,3197.12 78.67,3193.35 78.29,3189.43 78.29,2973.13 -262.31,2973.13 -343.92,3054.74 -343.92,3324.52 -228.66,3439.78 983.79,3439.78
GND on MidPlane_1 (split plane): 232 vertices, not listed, extent -6161.02,-140.87 983.79,5665.43
NetC219G_1 on MidPlane_2 (split plane): -4361.4,4512.85 -4361.4,4347.39 -4378.49,4330.3 -4680.96,4330.3 -4697.66,4346.99 -4697.66,4513.84 -4681.56,4529.94 -4378.49,4529.94
NetC214G_1 on MidPlane_2 (split plane): -4361.4,4723.48 -4361.4,4558.02 -4379.28,4540.14 -4680.77,4540.14 -4697.66,4557.03 -4697.66,4723.87 -4680.96,4740.57 -4378.49,4740.57
NetC214F_1 on MidPlane_2 (split plane): -4361.4,4162.46 -4361.4,3996.99 -4379.28,3979.11 -4680.77,3979.11 -4697.66,3996 -4697.66,4162.85 -4680.96,4179.55 -4378.49,4179.55
NetC214H_1 on MidPlane_2 (split plane): -4361.4,5284.5 -4361.4,5119.04 -4379.28,5101.16 -4680.77,5101.16 -4697.66,5118.05 -4697.66,5284.9 -4680.96,5301.6 -4378.49,5301.6
NetC219H_1 on MidPlane_2 (split plane): -4361.4,5073.87 -4361.4,4908.41 -4378.49,4891.32 -4680.96,4891.32 -4697.66,4908.02 -4697.66,5074.86 -4681.56,5090.97 -4378.49,5090.97
NetC214E_1 on MidPlane_2 (split plane): -4361.4,3601.43 -4361.4,3435.97 -4379.28,3418.09 -4680.77,3418.09 -4697.66,3434.98 -4697.66,3601.82 -4680.96,3618.52 -4378.49,3618.52
NetC219F_1 on MidPlane_2 (split plane): -4361.4,3951.83 -4361.4,3786.36 -4378.49,3769.27 -4680.96,3769.27 -4697.66,3785.97 -4697.66,3952.82 -4681.56,3968.92 -4378.49,3968.92
NetC219E_1 on MidPlane_2 (split plane): -4361.4,3390.8 -4361.4,3225.34 -4378.49,3208.25 -4680.96,3208.25 -4697.66,3224.95 -4697.66,3391.79 -4681.56,3407.89 -4378.49,3407.89
NetC214D_1 on MidPlane_2 (split plane): -4361.96,2277.41 -4361.96,2111.95 -4379.84,2094.07 -4681.33,2094.07 -4698.22,2110.96 -4698.22,2277.8 -4681.52,2294.5 -4379.05,2294.5
NetC214B_1 on MidPlane_2 (split plane): -4361.96,1155.36 -4361.96,989.9 -4379.84,972.02 -4681.33,972.02 -4698.22,988.91 -4698.22,1155.75 -4681.52,1172.45 -4379.05,1172.45
P2V5_CLEAN on MidPlane_2 (split plane): -4636.68,2758.6 -4635.02,2757.49 -4633.07,2757.11 -4372.58,2757.11 -4344.86,2729.38 -4344.86,2630.46 -4371.8,2603.52 -5085.68,2603.52 -5105.53,2623.37 -5105.53,2858.52 -5062.46,2901.59 -4779.67,2901.59
P3V3_CLEAN on MidPlane_2 (split plane): -4512.27,2888.91 -4510.61,2887.81 -4508.66,2887.42 -4373.77,2887.42 -4345.26,2858.91 -4345.26,2794.63 -4372.58,2767.3 -4630.96,2767.3 -4773.95,2910.3 -4775.61,2911.4 -4777.56,2911.79 -5064.57,2911.79 -5066.52,2911.4 -5068.17,2910.3 -5114.23,2864.23 -5115.34,2862.58 -5115.73,2860.63 -5115.73,2623.37 -5135.58,2603.52 -5567.06,2603.52 -5601.2,2637.67 -5601.2,3012.46 -5547.89,3065.77 -4689.12,3065.77
NetC219D_1 on MidPlane_2 (split plane): -4361.96,2066.78 -4361.96,1901.32 -4379.05,1884.22 -4681.52,1884.22 -4698.22,1900.92 -4698.22,2067.77 -4682.12,2083.87 -4379.05,2083.87
NetC214C_1 on MidPlane_2 (split plane): -4361.96,1716.38 -4361.96,1550.92 -4379.84,1533.04 -4681.33,1533.04 -4698.22,1549.93 -4698.22,1716.78 -4681.52,1733.48 -4379.05,1733.48
NetC219C_1 on MidPlane_2 (split plane): -4361.96,1505.75 -4361.96,1340.29 -4379.05,1323.2 -4681.52,1323.2 -4698.22,1339.9 -4698.22,1506.75 -4682.12,1522.85 -4379.05,1522.85
GND on MidPlane_2 (split plane): 228 vertices, not listed, extent -6161.02,-140.87 983.79,5665.43
NetC219A_1 on MidPlane_2 (split plane): -4361.96,383.71 -4361.96,218.25 -4379.05,201.15 -4681.52,201.15 -4698.22,217.85 -4698.22,384.7 -4682.12,400.8 -4379.05,400.8
NetC219B_1 on MidPlane_2 (split plane): -4361.96,944.73 -4361.96,779.27 -4379.05,762.18 -4681.52,762.18 -4698.22,778.88 -4698.22,945.72 -4682.12,961.82 -4379.05,961.82
NetC214A_1 on MidPlane_2 (split plane): -4361.96,594.34 -4361.96,428.88 -4379.84,411 -4681.33,411 -4698.22,427.88 -4698.22,594.73 -4681.52,611.43 -4379.05,611.43

## Keep-outs
Bottom Layer:
  lines w7.99: -1963.58,4101.38 -1561.64,4101.38 cw(c-1561.64,4047.61) -1523.62,4085.63 cw(c-1559.26,4049.99) -1508.86,4049.99 -1508.86,3641.44 ; -1450.79,4961.96 -906.23,4961.96 ccw(c-906.23,5061.96) -835.52,4991.25 -833.42,4993.35 ccw(c-904.13,5064.06) -804.13,5064.06 -804.13,5248.03
Keep-Out Layer:
  the board outline again, w5

## Other copper
Top Layer:
  rectangle net NetC11_1: -335.83,2088.58 -59.45,2274.8
  rectangle net NetC280_1: -1156.69,2088.58 -923.62,2254.33
  text "MK RTM SFP v1.0" at -3519.68,5488.19 h59.06
  text "L1" at -1082.68,5472.44 h59.06
Bottom Layer:
  text "MK RTM SFP v1.0" at -2673.23,5488.19 h59.06
  text "L4" at -688.98,5472.44 h59.06